# Altium PCB IntelligentCarFor51PcbDoc.PcbDoc (part 4 of 14) (continued)
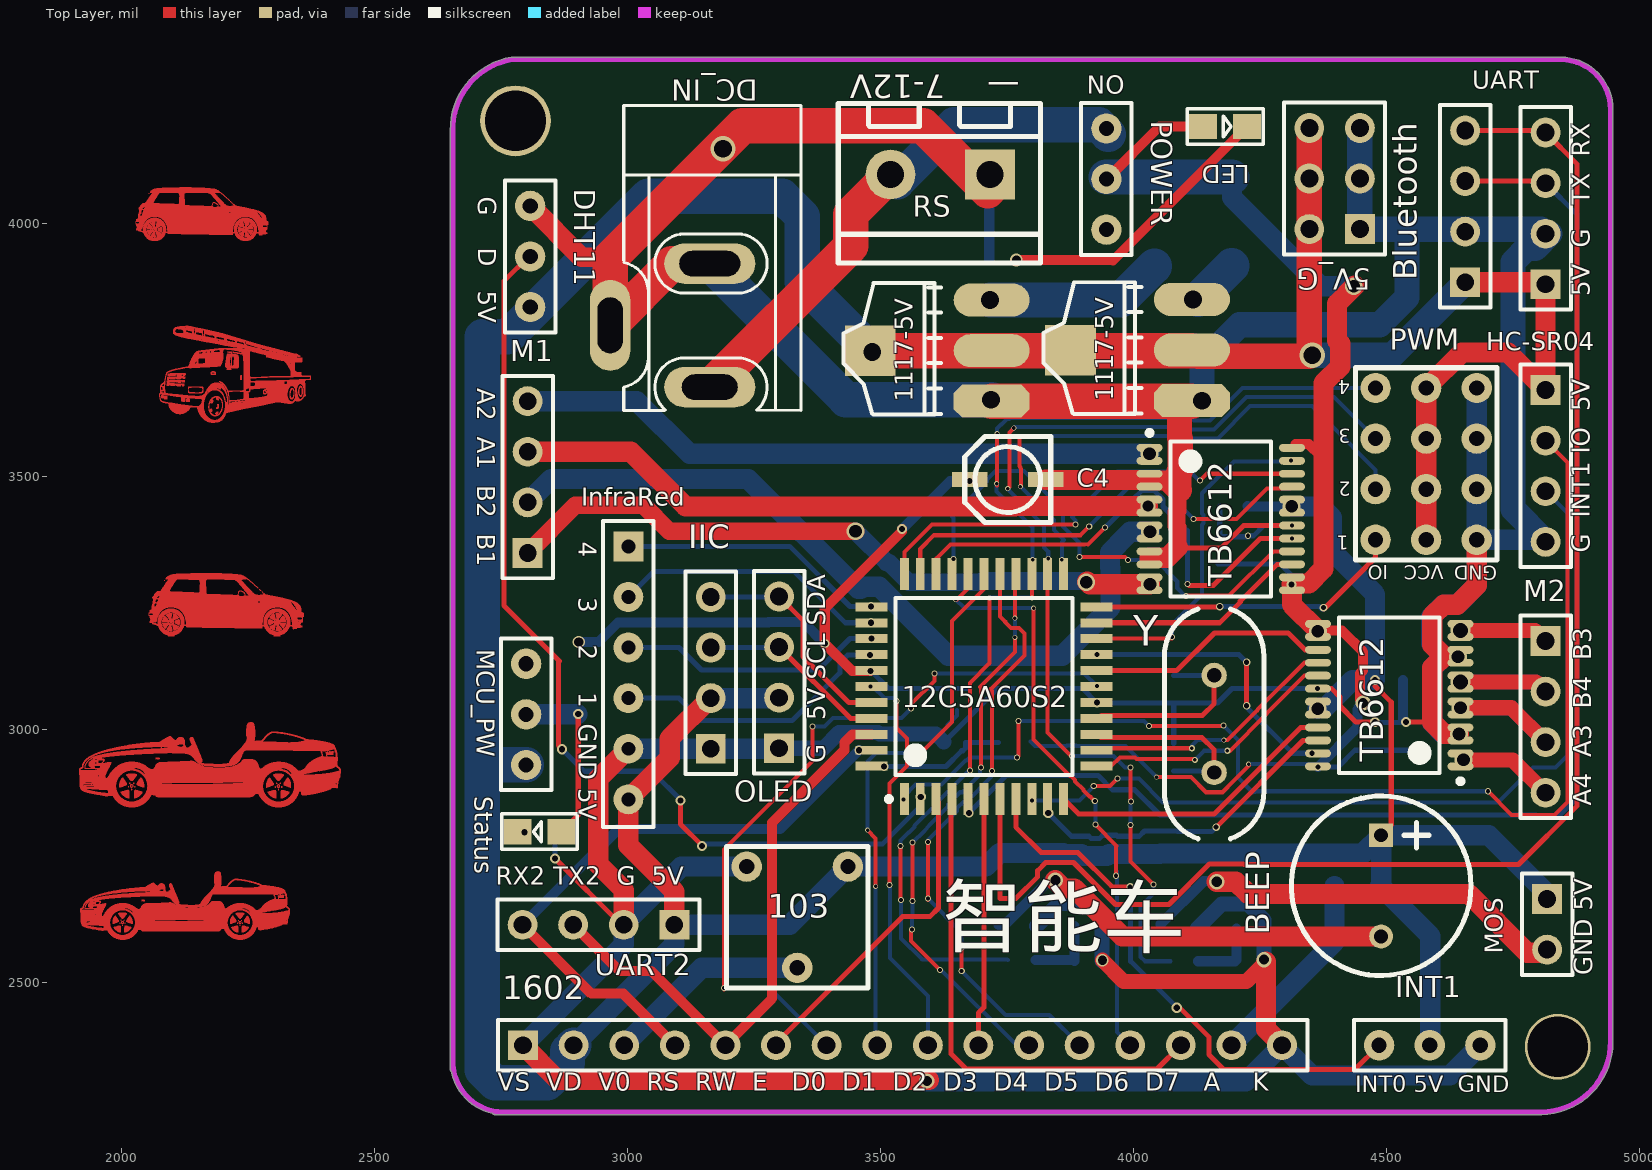
[diagram p0: Top Layer view]
## Nets (pads, with @x,y where several pads share a name; then routed paths per layer and width w, separated by ;. In a path a pad name is that pad's centre, name@x,y a point inside that pad or via, vN(x,y) a via of type N, cw(c..) or ccw(c..) an arc to the next point about the centre after c; other vN are vias at no path point) (continued)
2179.1,3629.5 ; 2176.7,3629.8 2179.4,3629.8 ; 2176.7,3634 2178.2,3634 ; 2176.7,3652.6 2178.2,3652.6 ; 2176.7,3681.4 2199.2,3681.4 ; 2176.7,3704.2 2178.8,3704.2 ; 2176.7,3704.5 2178.8,3704.5 ; 2176.7,3704.8 2178.5,3704.8 ; 2176.7,3705.1 2178.5,3705.1 ; 2176.7,3765.4 2204.3,3765.4 ; 2176.9,4058.8 2178.4,4058.8 ; 2176.9,4060.9 2181.1,4060.9 ; 2177,3624.1 2179.1,3624.1 ; 2177,3629.2 2179.1,3629.2 ; 2177,3646.3 2179.7,3646.3 ; 2177,3646.6 2180,3646.6 ; 2177,3646.9 2180.3,3646.9 ; 2177,3647.2 2180.3,3647.2 ; 2177,3652.9 2178.5,3652.9 ; 2177,3653.2 2178.5,3653.2 ; 2177,3671.5 2182.1,3671.5 ; 2177,3681.7 2198.9,3681.7 ; 2177,3703 2186.6,3703 ; 2177,3703.3 2179.7,3703.3 ; 2177,3703.6 2179.4,3703.6 ; 2177,3703.9 2179.1,3703.9 ; 2177,3705.4 2178.5,3705.4 ; 2177,3705.7 2178.2,3705.7 ; 2177,3706 2178.2,3706 ; 2177,3706.3 2178.5,3706.3 ; 2177,3769.3 2184.2,3769.3 ; 2177,3780.1 2209.1,3780.1 ; 2177.2,4058.5 2178.7,4058.5 ; 2177.2,4060.6 2181.4,4060.6 ; 2177.3,3623.8 2179.4,3623.8 ; 2177.3,3628.9 2178.8,3628.9 ; 2177.3,3645.7 2179.1,3645.7 ; 2177.3,3646 2179.4,3646 ; 2177.3,3647.5 2180.6,3647.5 ; 2177.3,3647.8 2180.6,3647.8 ; 2177.3,3648.1 2180.9,3648.1 ; 2177.3,3648.4 2180.9,3648.4 ; 2177.3,3653.5 2178.8,3653.5 ; 2177.3,3682 2198.6,3682 ; 2177.3,3702.7 2186.3,3702.7 ; 2177.3,3706.6 2180,3706.6 ; 2177.3,3706.9 2186,3706.9 ; 2177.3,3746.8 2182.4,3746.8 ; 2177.3,3747.1 2180,3747.1 ; 2177.3,3747.4 2179.1,3747.4 ; 2177.3,3747.7 2179.1,3747.7 ; 2177.3,3751.6 2199.2,3751.6 ; 2177.3,3772.3 2188.7,3772.3 ; 2177.5,4060.3 2181.7,4060.3 ; 2177.6,3623.5 2180,3623.5 ; 2177.6,3648.7 2180.9,3648.7 ; 2177.6,3649 2180.9,3649 ; 2177.6,3653.8 2179.1,3653.8 ; 2177.6,3702.4 2186.3,3702.4 ; 2177.6,3707.2 2185.7,3707.2 ; 2177.6,3746.5 2182.1,3746.5 ; 2177.6,3748 2179.7,3748 ; 2177.8,4057.9 2179.3,4057.9 ; 2177.8,4058.2 2179,4058.2 ; 2177.8,4060 2182,4060 ; 2177.9,3607.6 2184.5,3607.6 ; 2177.9,3623.2 2180.3,3623.2 ; 2177.9,3628.6 2178.2,3628.6 ; 2177.9,3649.3 2181.2,3649.3 ; 2177.9,3649.6 2181.2,3649.6 ; 2177.9,3654.1 2179.4,3654.1 ; 2177.9,3671.8 2192,3671.8 ; 2177.9,3682.3 2198,3682.3 ; 2177.9,3748.3 2182.4,3748.3 ; 2178.1,4057.6 2179.6,4057.6 ; 2178.1,4059.7 2182.3,4059.7 ; 2178.2,3622.9 2180.9,3622.9 ; 2178.2,3649.9 2181.2,3649.9 ; 2178.2,3650.2 2181.2,3650.2 ; 2178.2,3654.4 2179.7,3654.4 ; 2178.2,3682.6 2197.7,3682.6 ; 2178.2,3707.5 2184.8,3707.5 ; 2178.2,3746.2 2181.5,3746.2 ; 2178.2,3748.6 2182.4,3748.6 ; 2178.2,3769 2186,3769 ; 2178.4,4057.3 2179.9,4057.3 ; 2178.4,4059.4 2182.6,4059.4 ; 2178.5,3622.6 2181.2,3622.6 ; 2178.5,3650.5 2181.2,3650.5 ; 2178.5,3654.7 2180,3654.7 ; 2178.5,3682.9 2197.4,3682.9 ; 2178.5,3702.1 2186,3702.1 ; 2178.5,3748.9 2182.4,3748.9 ; 2178.5,3749.2 2182.1,3749.2 ; 2178.5,3765.1 2205.5,3765.1 ; 2178.7,4057 2180.2,4057 ; 2178.7,4059.1 2182.9,4059.1 ; 2178.8,3650.8 2181.2,3650.8 ; 2178.8,3651.1 2180.9,3651.1 ; 2178.8,3655 2180.6,3655 ; 2178.8,3745 2200.4,3745 ; 2179,4035.1 2179.6,4035.1 ; 2179,4035.4 2179.6,4035.4 ; 2179,4035.7 2179.6,4035.7 ; 2179,4036 2179.6,4036 ; 2179,4056.7 2180.5,4056.7 ; 2179,4058.8 2183.2,4058.8 ; 2179.1,3622.3 2181.8,3622.3 ; 2179.1,3655.3 2180.9,3655.3 ; 2179.1,3672.1 2191.4,3672.1 ; 2179.1,3683.2 2196.8,3683.2 ; 2179.1,3745.9 2180.9,3745.9 ; 2179.1,3772 2190.2,3772 ; 2179.3,4033.3 2179.6,4033.3 ; 2179.3,4034.2 2179.9,4034.2 ; 2179.3,4034.5 2179.6,4034.5 ; 2179.3,4034.8 2179.6,4034.8 ; 2179.3,4036.3 2179.6,4036.3 ; 2179.3,4036.6 2179.6,4036.6 ; 2179.3,4036.9 2179.6,4036.9 ; 2179.3,4037.2 2179.9,4037.2 ; 2179.3,4037.5 2179.9,4037.5 ; 2179.3,4056.4 2180.8,4056.4 ; 2179.3,4058.5 2183.5,4058.5 ; 2179.4,3622 2182.4,3622 ; 2179.4,3651.4 2180.9,3651.4 ; 2179.4,3655.6 2181.2,3655.6 ; 2179.4,3779.8 2205.2,3779.8 ; 2179.6,4037.8 2179.9,4037.8 ; 2179.6,4038.1 2179.9,4038.1 ; 2179.6,4038.4 2180.2,4038.4 ; 2179.6,4056.1 2181.1,4056.1 ; 2179.6,4057.9 2183.8,4057.9 ; 2179.6,4058.2 2183.8,4058.2 ; 2179.7,3651.7 2180.6,3651.7 ; 2179.7,3683.5 2196.2,3683.5 ; 2179.7,3707.8 2183.3,3707.8 ; 2179.7,3768.7 2187.5,3768.7 ; 2179.9,4033.3 2181.1,4033.3 ; 2179.9,4038.7 2180.2,4038.7 ; 2179.9,4039 2180.2,4039 ; 2179.9,4039.3 2180.5,4039.3 ; 2179.9,4039.6 2180.5,4039.6 ; 2179.9,4055.8 2181.1,4055.8 ; 2179.9,4057.6 2184.1,4057.6 ; 2180,3621.7 2183,3621.7 ; 2180,3655.9 2181.8,3655.9 ; 2180.2,4039.9 2180.5,4039.9 ; 2180.2,4040.2 2180.5,4040.2 ; 2180.2,4055.5 2181.4,4055.5 ; 2180.2,4057.3 2184.4,4057.3 ; 2180.3,3621.4 2190.2,3621.4 ; 2180.3,3656.2 2182.4,3656.2 ; 2180.3,3683.8 2195.6,3683.8 ; 2180.3,3701.8 2184.8,3701.8 ; 2180.3,3747.1 2182.4,3747.1 ; 2180.3,3748 2182.7,3748 ; 2180.3,3764.8 2195.9,3764.8 ; 2180.5,4033 2181.7,4033 ; 2180.5,4040.5 2180.8,4040.5 ; 2180.5,4040.8 2181.1,4040.8 ; 2180.5,4055.2 2181.7,4055.2 ; 2180.5,4057 2184.7,4057 ; 2180.5,4062.1 2191.3,4062.1 ; 2180.6,3656.5 2183,3656.5 ; 2180.6,3672.4 2190.8,3672.4 ; 2180.6,3684.1 2195,3684.1 ; 2180.6,3751.9 2201.9,3751.9 ; 2180.6,3771.7 2192,3771.7 ; 2180.8,4041.1 2181.1,4041.1 ; 2180.8,4054.9 2182,4054.9 ; 2180.8,4056.7 2185,4056.7 ; 2180.8,4061.8 2189.5,4061.8 ; 2180.9,3768.4 2189.3,3768.4 ; 2181.1,4041.4 2181.7,4041.4 ; 2181.1,4054.3 2182.6,4054.3 ; 2181.1,4054.6 2182.3,4054.6 ; 2181.1,4056.4 2185.3,4056.4 ; 2181.1,4061.2 2182.9,4061.2 ; 2181.1,4061.5 2186.8,4061.5 ; 2181.2,3621.1 2189.6,3621.1 ; 2181.2,3656.8 2183.6,3656.8 ; 2181.2,3747.4 2182.7,3747.4 ; 2181.2,3747.7 2182.7,3747.7 ; 2181.4,4041.7 2184.4,4041.7 ; 2181.4,4054 2182.9,4054 ; 2181.4,4056.1 2185.6,4056.1 ; 2181.4,4060.9 2183.2,4060.9 ; 2181.5,3684.4 2194.4,3684.4 ; 2181.5,3779.5 2205.2,3779.5 ; 2181.7,4053.7 2183.2,4053.7 ; 2181.7,4055.8 2185.9,4055.8 ; 2181.7,4060.6 2183.5,4060.6 ; 2181.8,3620.8 2189,3620.8 ; 2181.8,3657.1 2184.5,3657.1 ; 2181.8,3672.7 2189.9,3672.7 ; 2181.8,3673 2189,3673 ; 2182,4053.4 2183.5,4053.4 ; 2182,4055.5 2186.2,4055.5 ; 2182,4060.3 2183.8,4060.3 ; 2182,4062.4 2193.1,4062.4 ; 2182.1,3684.7 2193.5,3684.7 ; 2182.1,3706.6 2186.3,3706.6 ; 2182.1,3764.5 2195.6,3764.5 ; 2182.1,3768.1 2190.8,3768.1 ; 2182.3,4053.1 2183.8,4053.1 ; 2182.3,4055.2 2186.5,4055.2 ; 2182.3,4060 2184.1,4060 ; 2182.4,3657.4 2185.7,3657.4 ; 2182.4,3745.3 2200.1,3745.3 ; 2182.4,3771.4 2193.5,3771.4 ; 2182.4,3779.2 2205.2,3779.2 ; 2182.6,4052.8 2183.8,4052.8 ; 2182.6,4054.6 2187.1,4054.6 ; 2182.6,4054.9 2186.8,4054.9 ; 2182.6,4059.7 2184.4,4059.7 ; 2182.7,3620.5 2187.8,3620.5 ; 2182.9,4052.5 2184.1,4052.5 ; 2182.9,4054.3 2187.4,4054.3 ; 2182.9,4059.4 2184.7,4059.4 ; 2183,3657.7 2192.9,3657.7 ; 2183,3778.9 2205.2,3778.9 ; 2183.2,4051.9 2184.7,4051.9 ; 2183.2,4052.2 2184.4,4052.2 ; 2183.2,4054 2187.4,4054 ; 2183.2,4059.1 2185,4059.1 ; 2183.3,3685 2192.6,3685 ; 2183.3,3767.8 2192.6,3767.8 ; 2183.5,4051.6 2185,4051.6 ; 2183.5,4053.7 2187.7,4053.7 ; 2183.5,4058.8 2185.3,4058.8 ; 2183.6,3658 2192.3,3658 ; 2183.6,3703.3 2186.6,3703.3 ; 2183.6,3752.2 2225.6,3752.2 ; 2183.6,3764.2 2196.5,3764.2 ; 2183.6,3778.6 2205.2,3778.6 ; 2183.8,4030.3 2205.7,4030.3 ; 2183.8,4031.2 2193.7,4031.2 ; 2183.8,4051.3 2185.3,4051.3 ; 2183.8,4053.4 2188,4053.4 ; 2183.8,4058.5 2185.3,4058.5 ; 2183.9,3611.5 2197.4,3611.5 ; 2183.9,3778 2205.2,3778 ; 2183.9,3778.3 2205.2,3778.3 ; 2184.1,4029.7 2193.4,4029.7 ; 2184.1,4030 2222.5,4030 ; 2184.1,4031.5 2191,4031.5 ; 2184.1,4031.8 2185.3,4031.8 ; 2184.1,4041.4 2185.6,4041.4 ; 2184.1,4051 2185.6,4051 ; 2184.1,4053.1 2188.3,4053.1 ; 2184.1,4058.2 2185.6,4058.2 ; 2184.2,3703.6 2186.6,3703.6 ; 2184.2,3771.1 2195,3771.1 ; 2184.2,3777.4 2187.8,3777.4 ; 2184.2,3777.7 2205.2,3777.7 ; 2184.4,4029.4 2193.1,4029.4 ; 2184.4,4032.1 2191.9,4032.1 ; 2184.4,4050.7 2185.6,4050.7 ; 2184.4,4052.8 2188.6,4052.8 ; 2184.4,4057.9 2185.9,4057.9 ; 2184.5,3620.2 2186,3620.2 ; 2184.5,3658.3 2191.7,3658.3 ; 2184.5,3685.3 2191.1,3685.3 ; 2184.5,3773.8 2187.2,3773.8 ; 2184.5,3775.6 2187.2,3775.6 ; 2184.5,3775.9 2187.2,3775.9 ; 2184.5,3776.2 2187.2,3776.2 ; 2184.5,3776.5 2187.2,3776.5 ; 2184.5,3776.8 2187.2,3776.8 ; 2184.5,3777.1 2187.5,3777.1 ; 2184.7,4050.1 2186.2,4050.1 ; 2184.7,4050.4 2185.9,4050.4 ; 2184.7,4052.2 2189.2,4052.2 ; 2184.7,4052.5 2188.9,4052.5 ; 2184.7,4057.6 2186.2,4057.6 ; 2184.8,3703.9 2186.6,3703.9 ; 2184.8,3706.3 2186.3,3706.3 ; 2184.8,3767.5 2194.4,3767.5 ; 2184.8,3774.1 2187.2,3774.1 ; 2184.8,3774.4 2187.2,3774.4 ; 2184.8,3774.7 2187.2,3774.7 ; 2184.8,3775 2187.2,3775 ; 2184.8,3775.3 2187.2,3775.3 ; 2185,4029.1 2192.8,4029.1 ; 2185,4049.8 2186.5,4049.8 ; 2185,4051.9 2189.5,4051.9 ; 2185,4057.3 2186.5,4057.3 ; 2185.1,3704.2 2186.6,3704.2 ; 2185.1,3706 2186.6,3706 ; 2185.1,3763.9 2197.4,3763.9 ; 2185.3,4028.8 2191.9,4028.8 ; 2185.3,4041.1 2186.2,4041.1 ; 2185.3,4049.5 2186.8,4049.5 ; 2185.3,4051.6 2189.8,4051.6 ; 2185.3,4056.7 2187.1,4056.7 ; 2185.3,4057 2186.8,4057 ; 2185.4,3704.5 2186.6,3704.5 ; 2185.4,3704.8 2186.6,3704.8 ; 2185.4,3705.1 2186.6,3705.1 ; 2185.4,3705.4 2186.6,3705.4 ; 2185.4,3705.7 2186.6,3705.7 ; 2185.6,4031.8 2191.6,4031.8 ; 2185.6,4049.2 2187.1,4049.2 ; 2185.6,4051.3 2190.1,4051.3 ; 2185.6,4056.4 2187.4,4056.4 ; 2185.7,3658.6 2190.8,3658.6 ; 2185.9,4040.8 2186.8,4040.8 ; 2185.9,4048.9 2187.4,4048.9 ; 2185.9,4051 2190.4,4051 ; 2185.9,4056.1 2187.7,4056.1 ; 2186,3624.7 2189,3624.7 ; 2186,3625 2189.6,3625 ; 2186,3625.3 2189.9,3625.3 ; 2186,3770.8 2196.5,3770.8 ; 2186.2,4048.6 2187.7,4048.6 ; 2186.2,4050.7 2190.4,4050.7 ; 2186.2,4055.8 2188,4055.8 ; 2186.3,3624.4 2188.1,3624.4 ; 2186.3,3625.6 2190.2,3625.6 ; 2186.3,3745.6 2199.8,3745.6 ; 2186.5,4040.5 2187.4,4040.5 ; 2186.5,4048 2188,4048 ; 2186.5,4048.3 2187.7,4048.3 ; 2186.5,4050.4 2191,4050.4 ; 2186.5,4055.5 2188.3,4055.5 ; 2186.6,3625.9 2190.5,3625.9 ; 2186.6,3626.2 2190.8,3626.2 ; 2186.6,3752.5 2224.7,3752.5 ; 2186.8,4047.7 2188.3,4047.7 ; 2186.8,4049.8 2191.3,4049.8 ; 2186.8,4050.1 2191.3,4050.1 ; 2186.8,4055.2 2188.6,4055.2 ; 2186.9,3763.6 2199.2,3763.6 ; 2187.1,4040.2 2188,4040.2 ; 2187.1,4047.4 2188.6,4047.4 ; 2187.1,4049.5 2191.6,4049.5 ; 2187.1,4054.9 2188.6,4054.9 ; 2187.1,4062.7 2194.6,4062.7 ; 2187.2,3611.8 2197.7,3611.8 ; 2187.2,3626.5 2191.1,3626.5 ; 2187.2,3767.2 2198.6,3767.2 ; 2187.4,4032.7 2192.2,4032.7 ; 2187.4,4047.1 2188.9,4047.1 ; 2187.4,4049.2 2191.9,4049.2 ; 2187.4,4054.6 2189.2,4054.6 ; 2187.5,3626.8 2191.1,3626.8 ; 2187.7,4039.9 2188.3,4039.9 ; 2187.7,4046.5 2189.2,4046.5 ; 2187.7,4046.8 2189.2,4046.8 ; 2187.7,4048.9 2192.2,4048.9 ; 2187.7,4054.3 2189.2,4054.3 ; 2187.8,3621.7 2190.8,3621.7 ; 2187.8,3627.1 2191.4,3627.1 ; 2187.8,3635.2 2190.5,3635.2 ; 2187.8,3635.5 2191.1,3635.5 ; 2187.8,3654.1 2191.7,3654.1 ; 2187.8,3654.4 2191.4,3654.4 ; 2187.8,3654.7 2190.8,3654.7 ; 2187.8,3655 2190.5,3655 ; 2187.8,3655.3 2190.2,3655.3 ; 2187.8,3671.5 2192.6,3671.5 ; 2188,3989.5 2188.3,3989.5 ; 2188,4039.6 2188.6,4039.6 ; 2188,4048.6 2192.5,4048.6 ; 2188,4054 2189.5,4054 ; 2188.1,3627.4 2191.4,3627.4 ; 2188.1,3634.9 2190.2,3634.9 ; 2188.1,3635.8 2191.4,3635.8 ; 2188.1,3636.1 2191.7,3636.1 ; 2188.1,3653.8 2192,3653.8 ; 2188.1,3770.5 2197.7,3770.5 ; 2188.3,4045.9 2189.8,4045.9 ; 2188.3,4046.2 2189.5,4046.2 ; 2188.3,4048.3 2192.8,4048.3 ; 2188.3,4053.7 2189.8,4053.7 ; 2188.4,3612.1 2198.3,3612.1 ; 2188.4,3653.5 2192,3653.5 ; 2188.4,3655.6 2189.6,3655.6 ; 2188.4,3675.7 2196.2,3675.7 ; 2188.4,3763.3 2200.7,3763.3 ; 2188.6,4033 2202.1,4033 ; 2188.6,4039.3 2189.2,4039.3 ; 2188.6,4045.6 2190.1,4045.6 ; 2188.6,4047.7 2193.4,4047.7 ; 2188.6,4048 2193.1,4048 ; 2188.6,4053.4 2190.1,4053.4 ; 2188.7,3622 2191.4,3622 ; 2188.7,3627.7 2191.7,3627.7 ; 2188.7,3636.4 2192,3636.4 ; 2188.7,3653.2 2192.3,3653.2 ; 2188.9,4039 2189.5,4039 ; 2188.9,4045.3 2190.4,4045.3 ; 2188.9,4047.4 2193.7,4047.4 ; 2188.9,4053.1 2190.4,4053.1 ; 2189,3636.7 2192,3636.7 ; 2189,3652.9 2192.6,3652.9 ; 2189.2,3989.5 2220.7,3989.5 ; 2189.2,4038.7 2189.8,4038.7 ; 2189.2,4045 2190.7,4045 ; 2189.2,4047.1 2194,4047.1 ; 2189.2,4052.8 2190.7,4052.8 ; 2189.3,3628 2191.7,3628 ; 2189.3,3637 2192.3,3637 ; 2189.3,3652.6 2192.6,3652.6 ; 2189.3,3671.2 2193.2,3671.2 ; 2189.3,3680.2 2200.4,3680.2 ; 2189.3,3752.8 2224.4,3752.8 ; 2189.3,3766.9 2216,3766.9 ; 2189.5,4033.3 2197,4033.3 ; 2189.5,4038.4 2190.1,4038.4 ; 2189.5,4044.7 2191,4044.7 ; 2189.5,4046.8 2194.3,4046.8 ; 2189.5,4052.2 2191.3,4052.2 ; 2189.5,4052.5 2191,4052.5 ; 2189.6,3612.4 2198.6,3612.4 ; 2189.6,3622.3 2191.7,3622.3 ; 2189.6,3637.3 2192.3,3637.3 ; 2189.8,4038.1 2190.4,4038.1 ; 2189.8,4044.1 2191.3,4044.1 ; 2189.8,4044.4 2191,4044.4 ; 2189.8,4046.5 2194.6,4046.5 ; 2189.8,4051.9 2191.6,4051.9 ; 2189.8,4063 2194.3,4063 ; 2189.9,3628.3 2191.4,3628.3 ; 2189.9,3637.6 2192.6,3637.6 ; 2189.9,3642.4 2192.3,3642.4 ; 2189.9,3642.7 2192.3,3642.7 ; 2189.9,3643 2191.7,3643 ; 2189.9,3652.3 2192.6,3652.3 ; 2189.9,3657.4 2193.5,3657.4 ; 2189.9,3675.4 2196.5,3675.4 ; 2189.9,3763 2202.5,3763 ; 2189.9,3766 2203.7,3766 ; 2189.9,3770.2 2199.2,3770.2 ; 2190.1,4033.6 2191.6,4033.6 ; 2190.1,4037.8 2190.7,4037.8 ; 2190.1,4043.8 2191.6,4043.8 ; 2190.1,4045.9 2194.9,4045.9 ; 2190.1,4046.2 2194.6,4046.2 ; 2190.1,4051.6 2191.9,4051.6 ; 2190.2,3622.6 2192.3,3622.6 ; 2190.2,3637.9 2192.6,3637.9 ; 2190.2,3638.2 2192.6,3638.2 ; 2190.2,3642.1 2192.6,3642.1 ; 2190.2,3652 2192.6,3652 ; 2190.2,3766.3 2204.6,3766.3 ; 2190.2,3766.6 2205.8,3766.6 ; 2190.4,4033.9 2191.6,4033.9 ; 2190.4,4037.5 2190.7,4037.5 ; 2190.4,4043.5 2191.9,4043.5 ; 2190.4,4051.3 2191.9,4051.3 ; 2190.5,3612.7 2198.9,3612.7 ; 2190.5,3638.5 2192.6,3638.5 ; 2190.5,3638.8 2192.9,3638.8 ; 2190.5,3639.1 2192.9,3639.1 ; 2190.5,3641.5 2192.6,3641.5 ; 2190.5,3641.8 2192.6,3641.8 ; 2190.5,3643.3 2191.1,3643.3 ; 2190.5,3670.9 2193.8,3670.9 ; 2190.5,3777.4 2205.2,3777.4 ; 2190.7,4034.2 2191.3,4034.2 ; 2190.7,4034.5 2191.3,4034.5 ; 2190.7,4036.9 2191.3,4036.9 ; 2190.7,4037.2 2191,4037.2 ; 2190.7,4043.2 2192.2,4043.2 ; 2190.7,4045.3 2195.5,4045.3 ; 2190.7,4045.6 2195.2,4045.6 ; 2190.7,4051 2192.5,4051 ; 2190.8,3622.9 2192.6,3622.9 ; 2190.8,3639.4 2192.9,3639.4 ; 2190.8,3639.7 2192.9,3639.7 ; 2190.8,3640 2192.9,3640 ; 2190.8,3640.3 2192.9,3640.3 ; 2190.8,3640.6 2192.9,3640.6 ; 2190.8,3640.9 2192.9,3640.9 ; 2190.8,3641.2 2192.9,3641.2 ; 2190.8,3679.9 2200.7,3679.9 ; 2191,4034.8 2191.3,4034.8 ; 2191,4035.1 2191.6,4035.1 ; 2191,4035.4 2191.6,4035.4 ; 2191,4035.7 2191.6,4035.7 ; 2191,4036 2191.3,4036 ; 2191,4036.3 2191.3,4036.3 ; 2191,4036.6 2191.3,4036.6 ; 2191,4042.6 2192.5,4042.6 ; 2191,4042.9 2192.5,4042.9 ; 2191,4045 2195.8,4045 ; 2191,4050.7 2192.5,4050.7 ; 2191.1,3613 2199.2,3613 ; 2191.1,3651.7 2192.3,3651.7 ; 2191.1,3670.6 2194.1,3670.6 ; 2191.1,3675.1 2196.8,3675.1 ; 2191.1,3745.9 2198.9,3745.9 ; 2191.3,4031.5 2213.8,4031.5 ; 2191.3,4042.3 2192.8,4042.3 ; 2191.3,4044.7 2196.1,4044.7 ; 2191.3,4050.4 2192.8,4050.4 ; 2191.4,3623.2 2192.9,3623.2 ; 2191.4,3657.1 2194.1,3657.1 ; 2191.4,3679.6 2201,3679.6 ; 2191.4,3762.7 2204,3762.7 ; 2191.6,4042 2193.1,4042 ; 2191.6,4044.1 2196.7,4044.1 ; 2191.6,4044.4 2196.4,4044.4 ; 2191.6,4050.1 2193.1,4050.1 ; 2191.7,3613.3 2199.5,3613.3 ; 2191.7,3623.5 2193.2,3623.5 ; 2191.7,3769.9 2201,3769.9 ; 2191.9,4031.8 2193.4,4031.8 ; 2191.9,4041.7 2193.4,4041.7 ; 2191.9,4043.8 2197,4043.8 ; 2191.9,4049.8 2193.4,4049.8 ; 2191.9,4063.3 2194,4063.3 ; 2192,3670.3 2194.7,3670.3 ; 2192,3674.8 2196.8,3674.8 ; 2192,3679.3 2201.3,3679.3 ; 2192,3777.1 2205.2,3777.1 ; 2192.2,4028.8 2206.9,4028.8 ; 2192.2,4032.1 2199.7,4032.1 ; 2192.2,4041.1 2194,4041.1 ; 2192.2,4041.4 2193.7,4041.4 ; 2192.2,4043.5 2197.3,4043.5 ; 2192.2,4049.5 2193.7,4049.5 ; 2192.3,3613.6 2199.8,3613.6 ; 2192.3,3623.8 2193.5,3623.8 ; 2192.3,3656.8 2194.4,3656.8 ; 2192.3,3753.1 2225.3,3753.1 ; 2192.5,4032.7 2239.3,4032.7 ; 2192.5,4040.8 2194,4040.8 ; 2192.5,4043.2 2197.6,4043.2 ; 2192.5,4049.2 2194,4049.2 ; 2192.6,3624.1 2193.8,3624.1 ; 2192.6,3670 2195.3,3670 ; 2192.8,4040.5 2194.3,4040.5 ; 2192.8,4042.9 2197.9,4042.9 ; 2192.8,4048.9 2194.3,4048.9 ; 2192.9,3613.9 2200.1,3613.9 ; 2192.9,3624.4 2194.1,3624.4 ; 2192.9,3656.5 2194.7,3656.5 ; 2192.9,3674.5 2196.8,3674.5 ; 2192.9,3679 2201.6,3679 ; 2192.9,3762.4 2205.8,3762.4 ; 2193.1,4029.1 2206.6,4029.1 ; 2193.1,4040.2 2194.6,4040.2 ; 2193.1,4042.6 2198.2,4042.6 ; 2193.1,4048.6 2194.6,4048.6 ; 2193.1,4063.6 2193.4,4063.6 ; 2193.2,3624.7 2194.4,3624.7 ; 2193.2,3656.2 2195,3656.2 ; 2193.2,3669.7 2195.6,3669.7 ; 2193.2,3678.7 2201.6,3678.7 ; 2193.2,3769.6 2205.5,3769.6 ; 2193.2,3776.8 2205.2,3776.8 ; 2193.4,4029.4 2223.1,4029.4 ; 2193.4,4032.4 2193.7,4032.4 ; 2193.4,4039.9 2194.9,4039.9 ; 2193.4,4042 2198.8,4042 ; 2193.4,4042.3 2198.5,4042.3 ; 2193.4,4048 2195.2,4048 ; 2193.4,4048.3 2194.9,4048.3 ; 2193.5,3614.2 2200.4,3614.2 ; 2193.5,3625 2194.7,3625 ; 2193.5,3669.4 2195.9,3669.4 ; 2193.7,4029.7 2206.3,4029.7 ; 2193.7,4031.8 2208.1,4031.8 ; 2193.7,4039.3 2195.2,4039.3 ; 2193.7,4039.6 2195.2,4039.6 ; 2193.7,4041.7 2199.1,4041.7 ; 2193.7,4047.7 2195.2,4047.7 ; 2193.8,3614.5 2200.7,3614.5 ; 2193.8,3625.3 2195,3625.3 ; 2193.8,3655.9 2195.3,3655.9 ; 2193.8,3674.2 2196.8,3674.2 ; 2193.8,3678.4 2201.9,3678.4 ; 2193.8,3688.6 2195,3688.6 ; 2194,4031.2 2204.5,4031.2 ; 2194,4039 2195.5,4039 ; 2194,4041.4 2199.1,4041.4 ; 2194,4047.4 2195.5,4047.4 ; 2194.1,3614.8 2201,3614.8 ; 2194.1,3625.6 2195.3,3625.6 ; 2194.1,3625.9 2195.3,3625.9 ; 2194.1,3655.6 2195.6,3655.6 ; 2194.1,3669.1 2196.2,3669.1 ; 2194.1,3688.3 2195.6,3688.3 ; 2194.3,4038.7 2195.8,4038.7 ; 2194.3,4041.1 2199.4,4041.1 ; 2194.3,4047.1 2195.8,4047.1 ; 2194.4,3626.2 2195.6,3626.2 ; 2194.4,3655.3 2195.9,3655.3 ; 2194.4,3668.8 2196.8,3668.8 ; 2194.4,3673.9 2196.8,3673.9 ; 2194.4,3678.1 2202.2,3678.1 ; 2194.4,3688 2195.9,3688 ; 2194.4,3748.6 2201.3,3748.6 ; 2194.4,3748.9 2201.6,3748.9 ; 2194.4,3749.2 2196.2,3749.2 ; 2194.4,3749.5 2196.5,3749.5 ; 2194.4,3762.1 2207.3,3762.1 ; 2194.6,4038.1 2196.4,4038.1 ; 2194.6,4038.4 2196.1,4038.4 ; 2194.6,4040.8 2199.7,4040.8 ; 2194.6,4046.8 2196.4,4046.8 ; 2194.7,3615.1 2201.3,3615.1 ; 2194.7,3626.5 2195.9,3626.5 ; 2194.7,3626.8 2196.2,3626.8 ; 2194.7,3655 2196.2,3655 ; 2194.7,3687.7 2196.8,3687.7 ; 2194.7,3748.3 2201,3748.3 ; 2194.7,3749.8 2198,3749.8 ; 2194.7,3750.1 2201.6,3750.1 ; 2194.7,3769.3 2205.5,3769.3 ; 2194.7,3776.5 2205.2,3776.5 ; 2194.9,4037.8 2196.4,4037.8 ; 2194.9,4040.2 2200.3,4040.2 ; 2194.9,4040.5 2200,4040.5 ; 2194.9,4046.5 2196.4,4046.5 ; 2194.9,4062.4 2195.2,4062.4 ; 2195,3615.4 2201.6,3615.4 ; 2195,3627.1 2196.2,3627.1 ; 2195,3654.7 2196.5,3654.7 ; 2195,3668.5 2197.1,3668.5 ; 2195,3673.6 2196.8,3673.6 ; 2195,3677.8 2202.5,3677.8 ; 2195,3687.4 2197.1,3687.4 ; 2195,3748 2200.1,3748 ; 2195,3750.4 2201.6,3750.4 ; 2195,3751.3 2199.2,3751.3 ; 2195.2,4037.5 2196.7,4037.5 ; 2195.2,4039.9 2200.6,4039.9 ; 2195.2,4046.2 2196.7,4046.2 ; 2195.2,4062.1 2195.5,4062.1 ; 2195.3,3615.7 2201.6,3615.7 ; 2195.3,3627.4 2196.5,3627.4 ; 2195.3,3627.7 2196.5,3627.7 ; 2195.3,3654.4 2196.5,3654.4 ; 2195.3,3668.2 2197.4,3668.2 ; 2195.3,3687.1 2197.7,3687.1 ; 2195.3,3750.7 2201.3,3750.7 ; 2195.3,3751 2200.7,3751 ; 2195.5,4037.2 2197,4037.2 ; 2195.5,4039.6 2200.9,4039.6 ; 2195.5,4045.9 2197,4045.9 ; 2195.5,4061.8 2196.1,4061.8 ; 2195.6,3616 2201.9,3616 ; 2195.6,3628 2196.8,3628 ; 2195.6,3654.1 2196.8,3654.1 ; 2195.6,3667.9 2197.7,3667.9 ; 2195.6,3677.5 2202.8,3677.5 ; 2195.8,4036.9 2197.3,4036.9 ; 2195.8,4039.3 2201.2,4039.3 ; 2195.8,4045.6 2197.3,4045.6 ; 2195.8,4061.5 2196.4,4061.5 ; 2195.9,3628.3 2196.8,3628.3 ; 2195.9,3628.6 2197.1,3628.6 ; 2195.9,3653.5 2197.1,3653.5 ; 2195.9,3653.8 2197.1,3653.8 ; 2195.9,3667.6 2198,3667.6 ; 2195.9,3686.8 2198,3686.8 ; 2195.9,3761.8 2208.8,3761.8 ; 2195.9,3776.2 2204.9,3776.2 ; 2196.1,4036.3 2197.6,4036.3 ; 2196.1,4036.6 2197.6,4036.6 ; 2196.1,4038.7 2201.8,4038.7 ; 2196.1,4039 2201.5,4039 ; 2196.1,4045.3 2197.6,4045.3 ; 2196.1,4061.2 2196.7,4061.2 ; 2196.2,3616.3 2201.9,3616.3 ; 2196.2,3628.9 2197.4,3628.9 ; 2196.2,3629.2 2197.4,3629.2 ; 2196.2,3653.2 2197.4,3653.2 ; 2196.2,3667.3 2198.3,3667.3 ; 2196.2,3677.2 2202.8,3677.2 ; 2196.2,3686.5 2198.3,3686.5 ; 2196.2,3753.4 2229.5,3753.4 ; 2196.2,3769 2205.8,3769 ; 2196.4,4036 2197.9,4036 ; 2196.4,4038.4 2202.1,4038.4 ; 2196.4,4045 2197.9,4045 ; 2196.5,3616.6 2202.2,3616.6 ; 2196.5,3629.5 2197.4,3629.5 ; 2196.5,3629.8 2197.7,3629.8 ; 2196.5,3652.9 2197.7,3652.9 ; 2196.5,3667 2198.6,3667 ; 2196.7,4035.7 2198.2,4035.7 ; 2196.7,4038.1 2202.4,4038.1 ; 2196.7,4044.7 2198.2,4044.7 ; 2196.7,4060.9 2197,4060.9 ; 2196.8,3616.9 2202.5,3616.9 ; 2196.8,3630.1 2197.7,3630.1 ; 2196.8,3630.4 2198,3630.4 ; 2196.8,3652.3 2198,3652.3 ; 2196.8,3652.6 2197.7,3652.6 ; 2196.8,3666.7 2198.9,3666.7 ; 2196.8,3676.9 2203.1,3676.9 ; 2196.8,3686.2 2198.9,3686.2 ; 2196.8,3747.7 2198.3,3747.7 ; 2197,3979 2220.1,3979 ; 2197,4035.4 2198.5,4035.4 ; 2197,4037.8 2202.7,4037.8 ; 2197,4044.1 2198.8,4044.1 ; 2197,4044.4 2198.5,4044.4 ; 2197,4060.6 2197.3,4060.6 ; 2197.1,3617.2 2202.8,3617.2 ; 2197.1,3630.7 2198,3630.7 ; 2197.1,3631 2198.3,3631 ; 2197.1,3651.7 2198.3,3651.7 ; 2197.1,3652 2198,3652 ; 2197.1,3666.4 2199.2,3666.4 ; 2197.1,3676.6 2203.1,3676.6 ; 2197.1,3685.9 2199.2,3685.9 ; 2197.3,4034.8 2198.8,4034.8 ; 2197.3,4035.1 2198.8,4035.1 ; 2197.3,4037.2 2203,4037.2 ; 2197.3,4037.5 2202.7,4037.5 ; 2197.3,4043.8 2199.1,4043.8 ; 2197.3,4060.3 2197.9,4060.3 ; 2197.4,3617.5 2202.8,3617.5 ; 2197.4,3631.3 2198.3,3631.3 ; 2197.4,3631.6 2198.3,3631.6 ; 2197.4,3631.9 2198.6,3631.9 ; 2197.4,3651.1 2198.6,3651.1 ; 2197.4,3651.4 2198.3,3651.4 ; 2197.4,3666.1 2199.5,3666.1 ; 2197.4,3685.6 2199.5,3685.6 ; 2197.4,3761.5 2210.3,3761.5 ; 2197.4,3768.7 2208.5,3768.7 ; 2197.4,3775.9 2204.9,3775.9 ; 2197.6,4034.5 2199.1,4034.5 ; 2197.6,4036.9 2203.3,4036.9 ; 2197.6,4043.5 2199.4,4043.5 ; 2197.7,3617.8 2203.1,3617.8 ; 2197.7,3618.1 2203.1,3618.1 ; 2197.7,3632.2 2198.6,3632.2 ; 2197.7,3632.5 2198.9,3632.5 ; 2197.7,3632.8 2198.9,3632.8 ; 2197.7,3650.5 2198.9,3650.5 ; 2197.7,3650.8 2198.6,3650.8 ; 2197.7,3665.8 2199.5,3665.8 ; 2197.7,3676.3 2203.4,3676.3 ; 2197.9,4034.2 2199.4,4034.2 ; 2197.9,4036.6 2203.6,4036.6 ; 2197.9,4043.2 2199.7,4043.2 ; 2197.9,4060 2198.2,4060 ; 2198,3618.4 2203.4,3618.4 ; 2198,3633.1 2198.9,3633.1 ; 2198,3633.4 2198.9,3633.4 ; 2198,3633.7 2199.2,3633.7 ; 2198,3649.6 2199.2,3649.6 ; 2198,3649.9 2199.2,3649.9 ; 2198,3650.2 2198.9,3650.2 ; 2198,3665.5 2199.8,3665.5 ; 2198,3676 2203.7,3676 ; 2198,3685.3 2199.8,3685.3 ; 2198.2,4033.9 2199.7,4033.9 ; 2198.2,4036.3 2203.9,4036.3 ; 2198.2,4042.9 2200,4042.9 ; 2198.2,4059.7 2198.5,4059.7 ; 2198.3,3618.7 2203.4,3618.7 ; 2198.3,3634 2199.2,3634 ; 2198.3,3634.3 2199.2,3634.3 ; 2198.3,3634.6 2199.5,3634.6 ; 2198.3,3648.4 2199.5,3648.4 ; 2198.3,3648.7 2199.5,3648.7 ; 2198.3,3649 2199.5,3649 ; 2198.3,3649.3 2199.2,3649.3 ; 2198.3,3665.2 2200.1,3665.2 ; 2198.3,3675.7 2203.7,3675.7 ; 2198.3,3685 2200.1,3685 ; 2198.3,3775.6 2204.9,3775.6 ; 2198.5,4033.6 2200,4033.6 ; 2198.5,4035.7 2204.5,4035.7 ; 2198.5,4036 2204.2,4036 ; 2198.5,4042.6 2200.3,4042.6 ; 2198.5,4059.4 2198.8,4059.4 ; 2198.6,3619 2203.7,3619 ; 2198.6,3634.9 2199.5,3634.9 ; 2198.6,3635.2 2199.5,3635.2 ; 2198.6,3635.5 2199.5,3635.5 ; 2198.6,3635.8 2199.8,3635.8 ; 2198.6,3636.1 2199.8,3636.1 ; 2198.6,3647.2 2200.1,3647.2 ; 2198.6,3647.5 2199.8,3647.5 ; 2198.6,3647.8 2199.8,3647.8 ; 2198.6,3648.1 2199.8,3648.1 ; 2198.6,3664.6 2200.4,3664.6 ; 2198.6,3664.9 2200.4,3664.9 ; 2198.6,3684.7 2200.7,3684.7 ; 2198.6,3761.2 2211.8,3761.2 ; 2198.6,3768.4 2209.1,3768.4 ; 2198.8,4035.4 2204.8,4035.4 ; 2198.8,4042.3 2200.6,4042.3 ; 2198.8,4059.1 2199.1,4059.1 ; 2198.9,3619.3 2204,3619.3 ; 2198.9,3619.6 2204,3619.6 ; 2198.9,3636.4 2199.8,3636.4 ; 2198.9,3636.7 2199.8,3636.7 ; 2198.9,3637 2200.1,3637 ; 2198.9,3637.3 2200.1,3637.3 ; 2198.9,3637.6 2200.1,3637.6 ; 2198.9,3637.9 2200.1,3637.9 ; 2198.9,3645.7 2200.4,3645.7 ; 2198.9,3646 2200.1,3646 ; 2198.9,3646.3 2200.1,3646.3 ; 2198.9,3646.6 2200.1,3646.6 ; 2198.9,3646.9 2200.1,3646.9 ; 2198.9,3664.3 2200.7,3664.3 ; 2198.9,3675.4 2204,3675.4 ; 2198.9,3684.4 2201,3684.4 ; 2198.9,3764.8 2206.4,3764.8 ; 2198.9,3767.2 2214.5,3767.2 ; 2199.1,4035.1 2205.1,4035.1 ; 2199.1,4042 2200.9,4042 ; 2199.1,4058.8 2199.7,4058.8 ; 2199.2,3619.9 2204.3,3619.9 ; 2199.2,3638.2 2200.1,3638.2 ; 2199.2,3638.5 2200.1,3638.5 ; 2199.2,3638.8 2200.1,3638.8 ; 2199.2,3639.1 2200.4,3639.1 ; 2199.2,3639.4 2200.4,3639.4 ; 2199.2,3639.7 2200.4,3639.7 ; 2199.2,3640 2200.4,3640 ; 2199.2,3640.3 2200.4,3640.3 ; 2199.2,3640.6 2200.4,3640.6 ; 2199.2,3640.9 2200.4,3640.9 ; 2199.2,3641.2 2200.4,3641.2 ; 2199.2,3641.5 2200.4,3641.5 ; 2199.2,3641.8 2200.4,3641.8 ; 2199.2,3642.1 2200.4,3642.1 ; 2199.2,3642.4 2200.4,3642.4 ; 2199.2,3642.7 2200.4,3642.7 ; 2199.2,3643 2200.4,3643 ; 2199.2,3643.3 2200.4,3643.3 ; 2199.2,3643.6 2200.4,3643.6 ; 2199.2,3643.9 2200.4,3643.9 ; 2199.2,3644.2 2200.4,3644.2 ; 2199.2,3644.5 2200.4,3644.5 ; 2199.2,3644.8 2200.4,3644.8 ; 2199.2,3645.1 2200.4,3645.1 ; 2199.2,3645.4 2200.4,3645.4 ; 2199.2,3663.7 2201,3663.7 ; 2199.2,3664 2200.7,3664 ; 2199.2,3675.1 2204,3675.1 ; 2199.2,3684.1 2201.3,3684.1 ; 2199.2,3749.2 2201.6,3749.2 ; 2199.2,3749.8 2201.6,3749.8 ; 2199.4,4032.4 2200,4032.4 ; 2199.4,4034.8 2205.4,4034.8 ; 2199.4,4041.7 2201.2,4041.7 ; 2199.5,3620.2 2204.3,3620.2 ; 2199.5,3663.4 2201,3663.4 ; 2199.5,3674.8 2204.3,3674.8 ; 2199.7,4034.2 2206,4034.2 ; 2199.7,4034.5 2205.7,4034.5 ; 2199.7,4041.4 2201.5,4041.4 ; 2199.7,4058.5 2200,4058.5 ; 2199.8,3620.5 2204.6,3620.5 ; 2199.8,3620.8 2204.6,3620.8 ; 2199.8,3662.8 2201.3,3662.8 ; 2199.8,3663.1 2201.3,3663.1 ; 2199.8,3674.5 2204.3,3674.5 ; 2199.8,3683.8 2201.6,3683.8 ; 2199.8,3749.5 2201.6,3749.5 ; 2199.8,3768.1 2210,3768.1 ; 2199.8,3775.3 2204.9,3775.3 ; 2200,4032.1 2200.9,4032.1 ; 2200,4033.9 2206,4033.9 ; 2200,4041.1 2201.8,4041.1 ; 2200,4058.2 2200.3,4058.2 ; 2200.1,3621.1 2204.9,3621.1 ; 2200.1,3621.4 2204.9,3621.4 ; 2200.1,3662.5 2201.6,3662.5 ; 2200.1,3683.5 2201.9,3683.5 ; 2200.1,3760.9 2213,3760.9 ; 2200.3,4033.6 2206.6,4033.6 ; 2200.3,4040.8 2202.1,4040.8 ; 2200.3,4057.9 2200.6,4057.9 ; 2200.4,3621.7 2205.2,3621.7 ; 2200.4,3661.9 2201.9,3661.9 ; 2200.4,3662.2 2201.6,3662.2 ; 2200.4,3673.9 2204.9,3673.9 ; 2200.4,3674.2 2204.6,3674.2 ; 2200.4,3683.2 2202.2,3683.2 ; 2200.4,3764.5 2207.9,3764.5 ; 2200.6,4040.2 2202.4,4040.2 ; 2200.6,4040.5 2202.1,4040.5 ; 2200.6,4057.6 2200.9,4057.6 ; 2200.7,3622 2205.2,3622 ; 2200.7,3622.3 2205.5,3622.3 ; 2200.7,3661.3 2202.2,3661.3 ; 2200.7,3661.6 2201.9,3661.6 ; 2200.7,3682.9 2202.5,3682.9 ; 2200.7,3767.8 2211.5,3767.8 ; 2200.7,3775 2204.9,3775 ; 2200.9,4032.4 2240.8,4032.4 ; 2200.9,4039.9 2202.7,4039.9 ; 2200.9,4057.3 2201.5,4057.3 ; 2201,3622.6 2205.5,3622.6 ; 2201,3622.9 2205.8,3622.9 ; 2201,3660.7 2202.5,3660.7 ; 2201,3661 2202.2,3661 ; 2201,3673.6 2204.9,3673.6 ; 2201,3682.6 2202.8,3682.6 ; 2201,3767.5 2213,3767.5 ; 2201.2,4039.6 2203,4039.6 ; 2201.3,3623.2 2205.8,3623.2 ; 2201.3,3623.5 2205.8,3623.5 ; 2201.3,3660.1 2202.5,3660.1 ; 2201.3,3660.4 2202.5,3660.4 ; 2201.3,3673.3 2205.2,3673.3 ; 2201.3,3682.3 2203.1,3682.3 ; 2201.5,3989.2 2202.4,3989.2 ; 2201.5,4039.3 2203.3,4039.3 ; 2201.5,4057 2201.8,4057 ; 2201.6,3623.8 2206.1,3623.8 ; 2201.6,3624.1 2206.1,3624.1 ; 2201.6,3659.5 2202.8,3659.5 ; 2201.6,3659.8 2202.8,3659.8 ; 2201.6,3673 2205.2,3673 ; 2201.6,3682 2203.4,3682 ; 2201.6,3760.6 2214.2,3760.6 ; 2201.8,4033.3 2206.6,4033.3 ; 2201.8,4039 2203.6,4039 ; 2201.8,4056.7 2202.1,4056.7 ; 2201.9,3624.4 2206.4,3624.4 ; 2201.9,3624.7 2206.4,3624.7 ; 2201.9,3625 2206.7,3625 ; 2201.9,3658.6 2203.1,3658.6 ; 2201.9,3658.9 2203.1,3658.9 ; 2201.9,3659.2 2203.1,3659.2 ; 2201.9,3672.4 2205.5,3672.4 ; 2201.9,3672.7 2205.2,3672.7 ; 2201.9,3681.7 2203.7,3681.7 ; 2201.9,3764.2 2209.1,3764.2 ; 2201.9,3774.7 2204.9,3774.7 ; 2202.1,4038.7 2203.9,4038.7 ; 2202.1,4056.4 2202.4,4056.4 ; 2202.2,3625.3 2206.7,3625.3 ; 2202.2,3625.6 2206.7,3625.6 ; 2202.2,3658 2203.4,3658 ; 2202.2,3658.3 2203.4,3658.3 ; 2202.2,3672.1 2205.5,3672.1 ; 2202.2,3681.4 2204,3681.4 ; 2202.4,4038.4 2204.5,4038.4 ; 2202.4,4056.1 2202.7,4056.1 ; 2202.5,3625.9 2207,3625.9 ; 2202.5,3626.2 2207.3,3626.2 ; 2202.5,3657.1 2203.7,3657.1 ; 2202.5,3657.4 2203.7,3657.4 ; 2202.5,3657.7 2203.4,3657.7 ; 2202.5,3671.8 2205.8,3671.8 ; 2202.5,3681.1 2204.3,3681.1 ; 2202.7,3989.2 2220.4,3989.2 ; 2202.7,4038.1 2204.8,4038.1 ; 2202.7,4055.8 2203,4055.8 ; 2202.8,3626.5 2207.6,3626.5 ; 2202.8,3626.8 2208.5,3626.8 ; 2202.8,3627.1 2209.4,3627.1